# Allegro board TubiiPCB_V6.brd (continued)
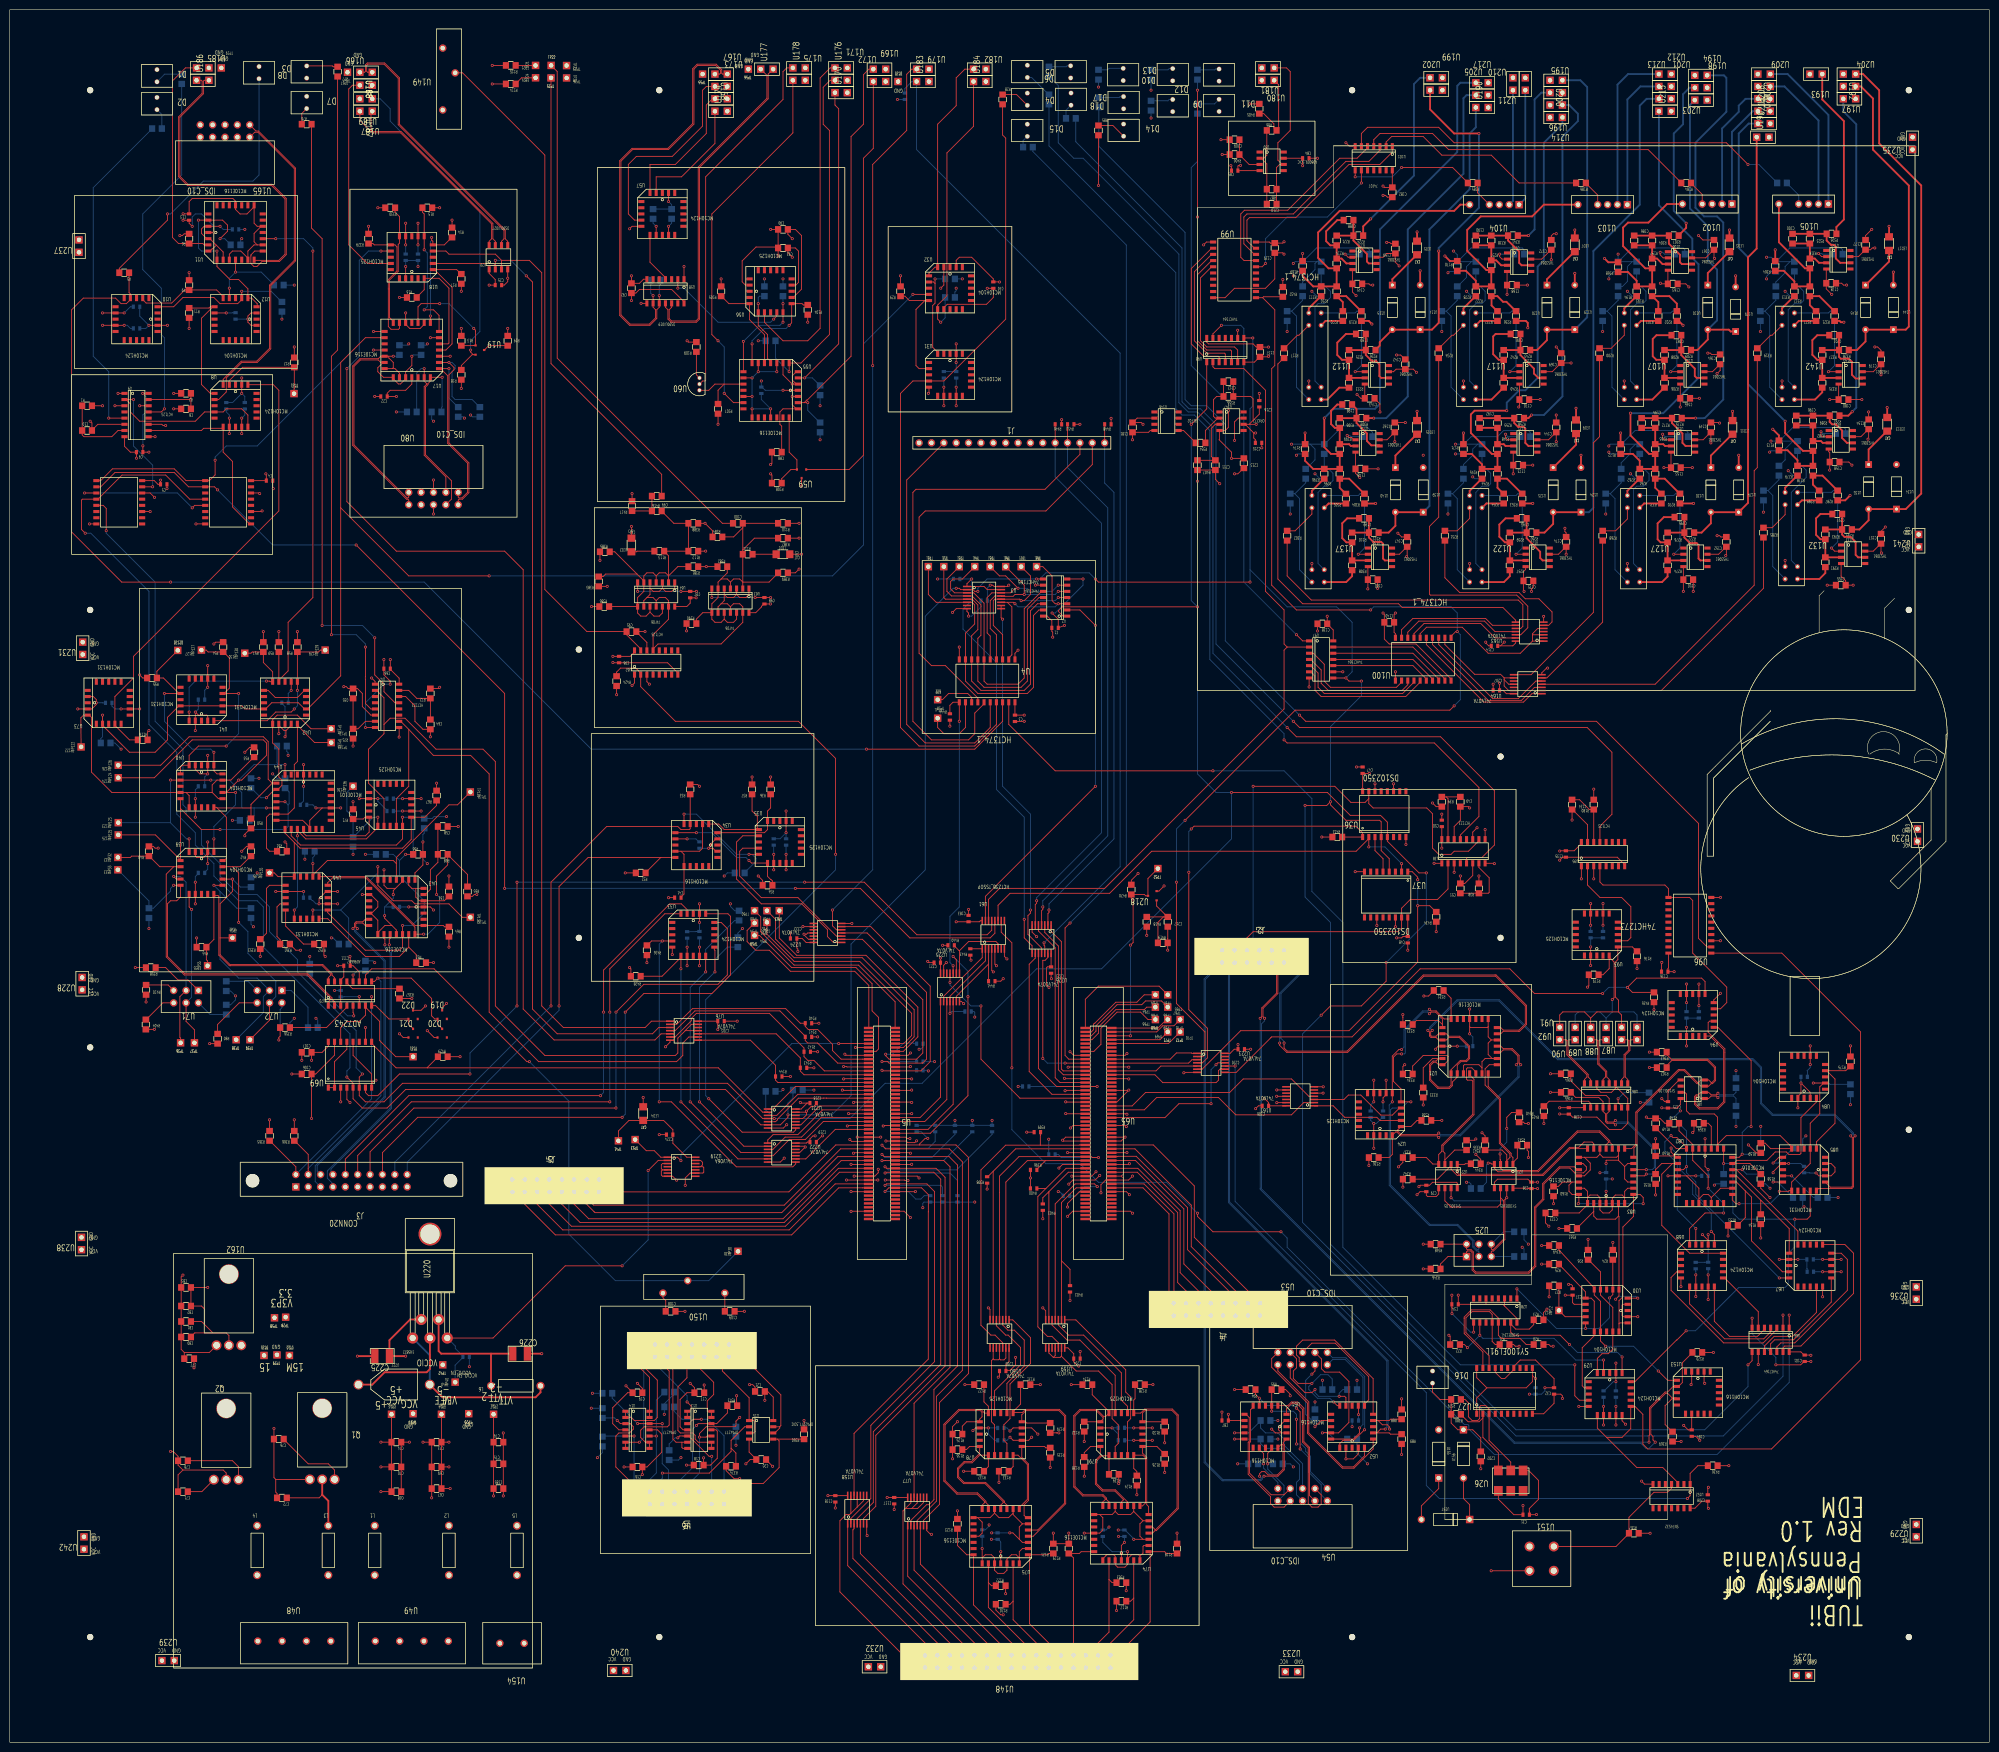
[diagram p0: board, top side]
## Footprints (pads in the part's own frame, mm; a bottom-side part is the same pattern mirrored in y, then rotated) (continued)
TSSOP16
  rect 1.651x0.33 smd: 1(-2.87,2.276) 2(-2.87,1.626) 3(-2.87,0.975) 4(-2.87,0.325) 5(-2.87,-0.325) 6(-2.87,-0.975) 7(-2.87,-1.626) 8(-2.87,-2.276) 9(2.87,-2.276) 10(2.87,-1.626) 11(2.87,-0.975) 12(2.87,-0.325) 13(2.87,0.325) 14(2.87,0.975) 15(2.87,1.626) 16(2.87,2.276)
unnamed#2
  round 1.27 hole 6.35 unplated: (0,0)
unnamed#3
  round 1.27 hole 3.962 unplated: (0,0)

## Nets
GND: C1.1(A<0>) C2.1(A<0>) C3.2(B<0>) C4.2(B<0>) C5.1(A<0>) C6.1(A<0>) C7.2(B<0>) C8.1(A<0>) C9.2(B<0>) C10.1(A<0>) C11.1(A<0>) C12.2(B<0>) C13.2(B<0>) C14.1(A<0>) C15.1(A<0>) C16.1(A<0>) C17.2(B<0>) C18.2(B<0>) C19.2(B<0>) C20.2(B<0>) C21.2(B<0>) C22.2(B<0>) C23.2(B<0>) C24.1(A<0>) C25.2(B<0>) C26.2(B<0>) C27.2(B<0>) C28.1(A<0>) C29.1(A<0>) C30.1(A<0>) C31.2(B<0>) C32.2(B<0>) C33.1(A<0>) C34.1(A<0>) C35.2(B<0>) C36.1(A<0>) C37.1(A<0>) C38.2(B<0>) C39.1(A<0>) C40.1(A<0>) C41.1(A<0>) C42.2(B<0>) C43.2(B<0>) C44.1(A<0>) C45.2(B<0>) C46.1(A<0>) C47.1(A<0>) C48.1(A<0>) C49.1(A<0>) C50.2(B<0>) C51.1(A<0>) C52.1(A<0>) C53.1(A<0>) C54.1(A<0>) C55.1(A<0>) C56.1(A<0>) C57.2(B<0>) C58.2(B<0>) C59.1(A<0>) C60.2(B<0>) C61.1(A<0>) C62.1(A<0>) C63.2(B<0>) C64.1(A<0>) C65.1(A<0>) C66.2(B<0>) C67.1(A<0>) C68.2(B<0>) C69.1(A<0>) C70.2(B<0>) C71.1(A<0>) C72.1(A<0>) C73.1(A<0>) C74.2(B<0>) C75.1(A<0>) C76.1(A<0>) C77.1(A<0>) C78.1(A<0>) C79.1(A<0>) C80.1(A<0>) C81.1(A<0>) C82.1(A<0>) C83.2(B<0>) C84.2(B<0>) C85.1(A<0>) C86.2(B<0>) C87.2(B<0>) C88.1(A<0>) C89.2(B<0>) C90.2(B<0>) C91.2(B<0>) C92.1(A<0>) C93.1(A<0>) C94.1(A<0>) C95.1(A<0>) C96.2(B<0>) C97.1(A<0>) C98.1(A<0>) C101.1(A<0>) C102.2(B<0>) C103.2(B<0>) C104.1(A<0>) C105.1(A<0>) C106.2(B<0>) C107.2(B<0>) C108.1(A<0>) C109.2(B<0>) C110.1(A<0>) C111.1(A<0>) C112.1(A<0>) C113.1(A<0>) C114.2(B<0>) C115.2(B<0>) C116.2(B<0>) C117.1(A<0>) C118.1(A<0>) C119.2(B<0>) C120.2(B<0>) C121.1(A<0>) C122.1(A<0>) C123.1(A<0>) C124.2(B<0>) C125.2(B<0>) C126.2(B<0>) C127.2(B<0>) C128.2(B<0>) C129.1(A<0>) C130.2(B<0>) C131.1(A<0>) C132.2(B<0>) C133.1(A<0>) C134.1(A<0>) C135.1(A<0>) C136.2(B<0>) C137.1(A<0>) C138.1(A<0>) C139.2(B<0>) C140.2(B<0>) C141.1(A<0>) C142.1(A<0>) C143.2(B<0>) C144.1(A<0>) C145.2(B<0>) C146.1(A<0>) C147.1(A<0>) C148.2(B<0>) C149.1(A<0>) C150.2(B<0>) C151.1(A<0>) C152.1(A<0>) C153.2(B<0>) C154.1(A<0>) C155.2(B<0>) C156.1(A<0>) C157.1(A<0>) C158.2(B<0>) C159.1(A<0>) C160.2(B<0>) C161.1(A<0>) C162.1(A<0>) C163.2(B<0>) C164.1(A<0>) C165.2(B<0>) C166.1(A<0>) C167.1(A<0>) C168.2(B<0>) C169.1(A<0>) C170.2(B<0>) C171.1(A<0>) C172.1(A<0>) C173.2(B<0>) C174.1(A<0>) C175.2(B<0>) C176.1(A<0>) C177.1(A<0>) C178.2(B<0>) C179.1(A<0>) C180.2(B<0>) C181.2(B<0>) C182.1(A<0>) C183.2(B<0>) C184.2(B<0>) C185.1(A<0>) C202.1(A<0>) C203.1(A<0>) C204.1(A<0>) C205.1(A<0>) C206.2(B<0>) C207.1(A<0>) C208.2(B<0>) C209.1(A<0>) C211.1(A<0>) C213.1(A<0>) C214.1(A<0>) C215.1(A<0>) C216.1(A<0>) C217.1(A<0>) C218.2(B<0>) C219.2(B<0>) C220.1(A<0>) C221.1(A<0>) C222.1(A<0>) C223.2(B<0>) C224.2(B<0>) C225.2 C226.2 D1.1(B) D2.1(B) D3.1(B) D4.1(B) D5.1(B) D6.1(B) D7.1(B) D8.1(B) D9.2(A) D10.1(B) D11.2(A) D12.1(B) D13.2(A) D14.1(B) D15.1(B) D16.1(B) D17.1(B) D18.1(B) J1.1 J2.5 J2.7 J3.1 J3.3 J3.9 J3.11 J3.13 J3.15 J3.17 J3.19 J4.2 J4.4 J4.6 J4.8 J4.10 J4.12 J4.14 J4.16 J5.2 J5.4 J5.6 J5.8 J5.10 J5.12 J5.14 J5.16 LED1.1(B) LED2.1(B) Q1.1(GROUND) Q2.2(GROUND) R18.2(B<0>) R47.1(A<0>) R80.1(A<0>) R81.1(A<0>) R167.1(A<0>) R168.1(A<0>) R169.1(A<0>) R170.1(A<0>) R171.1(A<0>) R172.1(A<0>) R173.1(A<0>) R174.1(A<0>) R198.1(A<0>) R199.1(A<0>) R202.2(B<0>) R215.1(A<0>) R216.1(A<0>) R219.2(B<0>) R232.1(A<0>) R233.1(A<0>) R236.2(B<0>) R249.1(A<0>) R250.1(A<0>) R253.2(B<0>) R266.1(A<0>) R267.1(A<0>) R270.2(B<0>) R283.1(A<0>) R284.1(A<0>) R287.2(B<0>) R300.1(A<0>) R301.1(A<0>) R304.2(B<0>) R317.1(A<0>) R318.1(A<0>) R321.2(B<0>) R350.1(A<0>) R351.2(B<0>) R352.2(B<0>) R353.2(B<0>) R356.1(A<0>) R357.1(A<0>) R358.1(A<0>) R359.1(A<0>) R360.1(A<0>) R361.1(A<0>) R362.2(B<0>) R364.1(A<0>) R365.1(A<0>) R366.1(A<0>) R371.1(A<0>) R372.1(A<0>) R373.1(A<0>) R374.1(A<0>) R375.1(A<0>) R376.1(A<0>) R377.1(A<0>) R378.1(A<0>) R404.1(A<0>) R405.1(A<0>) R406.1(A<0>) R407.1(A<0>) R417.1(A<0>) R419.1(A<0>) TP18.1(A) TP19.1(A) TP20.1(A) TP23.1(A) TP26.1(A) TP27.1(A) TP28.1(A) TP29.1(A) TP55.1(A) TP56.1(A) TP57.1(A) U1.8(GND) U1.11(MS) U2.7(GND) U3.8(GND) U4.10(GND) U5.15 U5.16 U5.21 U5.22 U5.27 U5.28 U5.33 U5.34 U5.39 U5.40 U5.45 U5.46 U5.51 U5.52 U5.65 U5.66 U5.71 U5.72 U5.77 U5.85 U5.86 U5.95 U5.96 U6.5 U6.6 U6.11 U6.12 U7.8(GND) U7.11(MS) U8.20(GND) U9.1(IN_A1*) U9.6(CEXT2) U9.8(GND) U9.9(IN_A2*) U9.14(CEXT1) U10.20(GND) U11.7(GND0) U11.10(GND1) U11.13(GND2) U11.16(GND3) U11.19(GND4) U11.22(GND5) U12.2(GND1) U12.20(GND2) U16.5 U16.6 U16.11 U16.12 U17.7(GND0) U17.10(GND1) U17.13(GND2) U17.16(GND3) U17.19(GND4) U17.22(GND5) U18.20(GND) U20.4(GND) U21.7(GND0) U21.10(GND1) U21.13(GND2) U21.16(GND3) U21.19(GND4) U21.22(GND5) U22.8(GND) U23.8(GND) U24.20(GND) U26.3(GND) U27.14(GND0) U27.17(GND1) U28.3(GND0) U28.6(GND1) U28.16(GND2) U29.13(C_IN) U29.20(GND) U30.2(GND1) U30.20(GND2) U31.20(GND) U32.2(GND1) U32.20(GND2) U33.20(GND) U34.2(GND1) U34.20(GND2) U35.20(GND) U36.8(GND) U36.11(MS) U37.8(GND) U37.11(MS) U38.1(IN_A1*) U38.6(CEXT2) U38.8(GND) U38.9(IN_A2*) U38.14(CEXT1) U39.2(GND1) U39.20(GND2) U40.2(GND1) U40.20(GND2) U41.2(GND1) U41.20(GND2) U42.2(GND1) U42.20(GND2) U43.7(GND0) U43.10(GND1) U43.13(GND2) U43.16(GND3) U43.19(GND4) U43.22(GND5) U44.11(GND0) U44.16(GND1) U44.21(GND2) U45.20(GND) U46.2(GND1) U46.20(GND2) U47.1(IN_A1*) U47.6(CEXT2) U47.8(GND) U47.9(IN_A2*) U47.14(CEXT1) U48.2 U48.3 U49.2 U49.3 U51.2(GND1) U51.20(GND2) U52.2(GND1) U52.20(GND2) U55.7(GND0) U55.10(GND1) U55.13(GND2) U55.16(GND3) U55.19(GND4) U55.22(GND5) U56.20(GND) U57.20(GND) U58.7(GND) U58.8(RE) U59.3(C) U61.8 U62.1(IN_A1*) U62.8(GND) U62.14(CEXT1) U63.7(GND) U64.7(GND) U65.15 U65.16 U65.21 U65.22 U65.27 U65.28 U65.33 U65.34 U65.39 U65.40 U65.45 U65.46 U65.51 U65.52 U65.65 U65.66 U65.71 U65.72 U65.77 U65.85 U65.86 U65.95 U65.96 U66.7(GND) U67.20(GND) U68.20(GND) U69.4(BNCP) U69.8(DGND) U69.10(DCEN) U69.12(AGND) U70.3(GND1) U70.14(GND2) U73.2(GND1) U73.20(GND2) U74.7(GND0) U74.10(GND1) U74.13(GND2) U74.16(GND3) U74.19(GND4) U74.22(GND5) U75.7(GND0) U75.10(GND1) U75.13(GND2) U75.16(GND3) U75.19(GND4) U75.22(GND5) U76.7(GND) U77.7(GND) U78.20(GND) U79.20(GND) U80.5(PIN5) U80.6(PIN6) U81.8(GND) U82.8(GND0) U82.14(GND1) U82.16(GND2) U82.20(GND3) U83.7(GND0) U83.10(GND1) U83.13(GND2) U83.16(GND3) U83.19(GND4) U83.22(GND5) U84.2(GND1) U84.20(GND2) U85.2(GND1) U85.20(GND2) U86.3(GND0) U86.6(GND1) U86.16(GND2) U93.20(GND) U94.20(GND) U95.1(IN_A1*) U95.3(RD1*) U95.8(GND) U95.15(REXT/CEXT1) U96.10(GND) U97.7(GND) U98.7(GND) U99.1(OE*) U99.10(GND) U100.1(OE*) U100.10(GND) U101.7 U109.2(OUT) U114.2(OUT) U119.2(OUT) U124.2(OUT) U129.2(OUT) U134.2(OUT) U139.2(OUT) U144.2(OUT) U146.4(GND) U148.2 U148.4 U148.6 U148.8 U148.10 U148.12 U148.14 U148.16 U148.18 U148.20 U148.22 U148.24 U148.26 U148.28 U148.30 U148.32 U149.1(CCW) U152.7(GND) U153.2(GND1) U153.20(GND2) U154.2 U158.7(GND) U159.7(GND) U160.7(GND) U161.5(A3) U161.7(GND) U161.9(A4) U161.11(A5) U161.13(A6) U162.1(GND) U163.7(GND) U164.7(GND) U165.5(PIN5) U165.6(PIN6) U166.2 U167.2 U169.2 U170.2 U171.2 U172.2 U173.2 U174.2 U175.2 U176.2 U178.2 U179.2 U180.2 U181.2 U182.2 U183.2 U184.2 U185.2 U189.2 U190.2 U191.2 U192.2 U193.2 U194.2 U195.2 U196.2 U197.2 U198.2 U199.2 U200.2 U201.2 U202.2 U203.2 U204.2 U205.2 U206.2 U207.2 U208.2 U209.2 U210.2 U211.2 U212.2 U213.2 U214.2 U215.2 U216.2 U217.2 U218.2 U219.3(A2) U219.5(A3) U219.7(GND) U219.9(A4) U219.11(A5) U219.13(A6) U220.3(GND) U221.7(GND) U221.11(A5) U221.13(A6) U222.7(GND) U222.11(A5) U222.13(A6) U223.7(GND) U224.7(GND) U224.9(A4) U224.11(A5) U224.13(A6) U225.7(GND) U225.13(A6) U226.7(GND) U227.2(AN) U228.2 U229.2 U230.2 U231.2 U232.2 U233.2 U234.2 U235.2 U236.2 U237.2 U238.2 U239.2 U240.2 U241.2 U242.2
V3P3: C31.1(A<0>) C33.2(B<0>) C80.2(B<0>) C81.2(B<0>) C82.2(B<0>) C83.1(A<0>) C117.2(B<0>) C118.2(B<0>) C203.2(B<0>) C204.2(B<0>) C205.2(B<0>) C206.1(A<0>) C218.1(A<0>) C219.1(A<0>) C220.2(B<0>) C221.2(B<0>) C222.2(B<0>) C223.1(A<0>) LED4.2(A) R85.1(A<0>) R140.2(B<0>) R141.2(B<0>) R142.2(B<0>) R143.2(B<0>) R144.2(B<0>) R145.1(A<0>) R146.1(A<0>) R147.1(A<0>) R391.1(A<0>) R392.1(A<0>) R393.1(A<0>) R394.1(A<0>) R395.1(A<0>) R396.1(A<0>) R397.1(A<0>) R398.1(A<0>) R399.1(A<0>) R400.2(B<0>) R401.2(B<0>) R402.2(B<0>) R403.2(B<0>) R420.1(A<0>) R437.1(A<0>) R438.1(A<0>) R439.1(A<0>) R445.1(A<0>) TP58.1(A) U26.6(VDD) U27.1(VCC0) U27.11(VCC1) U27.20(VCC2) U76.14(VCC) U77.14(VCC) U155.2(AND) U158.14(VCC) U159.14(VCC) U160.14(VCC) U161.14(VCC) U162.2(VOUT) U221.14(VCC) U222.14(VCC) U223.14(VCC) U224.14(VCC) U225.14(VCC) U226.14(VCC)
VBAT: TP71.1(A) U65.7
VCC: C1.2(B<0>) C2.2(B<0>) C3.1(A<0>) C4.1(A<0>) C5.2(B<0>) C6.2(B<0>) C9.1(A<0>) C12.1(A<0>) C17.1(A<0>) C19.1(A<0>) C21.1(A<0>) C24.2(B<0>) C25.1(A<0>) C30.2(B<0>) C35.1(A<0>) C38.1(A<0>) C40.2(B<0>) C42.1(A<0>) C46.2(B<0>) C47.2(B<0>) C48.2(B<0>) C50.1(A<0>) C62.2(B<0>) C66.1(A<0>) C68.1(A<0>) C70.1(A<0>) C74.1(A<0>) C77.2(B<0>) C84.1(A<0>) C91.1(A<0>) C92.2(B<0>) C93.2(B<0>) C96.1(A<0>) C97.2(B<0>) C98.2(B<0>) C101.2(B<0>) C102.1(A<0>) C103.1(A<0>) C108.2(B<0>) C111.2(B<0>) C121.2(B<0>) C122.2(B<0>) C131.2(B<0>) C133.2(B<0>) C135.2(B<0>) C136.1(A<0>) C137.2(B<0>) C138.2(B<0>) C139.1(A<0>) C140.1(A<0>) C182.2(B<0>) C183.1(A<0>) C207.2(B<0>) C208.1(A<0>) C214.2(B<0>) C225.1 D19.3(CAT) D22.3(CAT) J1.2 L1.2(B<0>) R1.1(A<0>) R2.1(A<0>) R38.1(A<0>) R39.1(A<0>) R72.1(A<0>) R75.2(B<0>) R79.1(A<0>) R110.2(B<0>) R112.2(B<0>) R114.1(A<0>) R115.1(A<0>) R180.1(A<0>) R381.2(B<0>) R382.2(B<0>) R383.2(B<0>) R384.2(B<0>) R385.2(B<0>) R386.2(B<0>) R387.2(B<0>) R388.2(B<0>) R389.2(B<0>) R390.2(B<0>) R418.1(A<0>) R421.1(A<0>) R424.1(A<0>) R425.1(A<0>) R426.1(A<0>) R427.1(A<0>) R428.1(A<0>) R429.1(A<0>) R430.1(A<0>) R431.1(A<0>) R432.2(B<0>) R433.2(B<0>) R434.2(B<0>) R435.2(B<0>) R436.2(B<0>) R440.1(A<0>) R441.1(A<0>) R442.1(A<0>) R443.1(A<0>) R444.1(A<0>) R446.1(A<0>) R447.1(A<0>) R448.1(A<0>) R449.1(A<0>) R450.1(A<0>) TP13.1(A) U1.14(PS) U1.16(VCC) U2.9(MR*) U2.14(VCC) U3.16(VCC) U4.1(OE*) U4.20(VCC) U5.12 U5.57 U5.58 U5.59 U5.60 U7.14(PS) U7.16(VCC) U8.12(VCC) U9.3(RD1*) U9.11(RD2*) U9.16(VCC) U10.12(VCC) U13.4(V+) U14.4(V+) U15.8(V+) U18.12(VCC) U20.1(VCC) U24.12(VCC) U29.8(COMMON) U29.12(VCC) U31.8(COMMON) U31.12(VCC) U32.10(VEE) U33.8(COMMON) U33.12(VCC) U35.12(VCC) U36.14(PS) U36.16(VCC) U37.14(PS) U37.16(VCC) U38.3(RD1*) U38.11(RD2*) U38.16(VCC) U45.12(VCC) U47.16(VCC) U50.7(V+) U56.12(VCC) U57.8(COMMON) U57.12(VCC) U58.1(DE) U58.14(VCC) U61.4(E1) U61.5(E2) U61.16 U62.3(RD1*) U62.16(VCC) U63.14(VCC) U64.14(VCC) U65.57 U65.58 U65.59 U65.60 U66.9(MR*) U66.14(VCC) U67.8(COMMON) U67.12(VCC) U68.8(COMMON) U68.12(VCC) U69.3(CLR*) U70.11(VS+) U78.12(VCC) U79.12(VCC) U93.12(VCC) U94.8(COMMON) U94.12(VCC) U95.16(VCC) U96.3(D0) U96.20(VCC) U97.9(MR*) U97.14(VCC) U98.9(MR*) U98.14(VCC) U99.20(VCC) U100.20(VCC) U101.14 U102.3(CNTRL-) U103.3(CNTRL-) U104.3(CNTRL-) U105.3(CNTRL-) U107.3(CTRL_OUT) U112.3(CTRL_OUT) U117.3(CTRL_OUT) U122.3(CTRL_OUT) U127.3(CTRL_OUT) U132.3(CTRL_OUT) U137.3(CTRL_OUT) U142.3(CTRL_OUT) U149.3(CW) U150.3(CW) U151.1(A1) U152.14(VCC) U162.3(VIN) U163.14(VCC) U164.14(VCC) U220.2(VIN) U228.1 U229.1 U230.1 U231.1 U232.1 U233.1 U234.1 U235.1 U236.1 U237.1 U238.1 U239.1 U240.1 U241.1 U242.1
VCC15: C78.2(B<0>) C107.1(A<0>) C142.2(B<0>) C144.2(B<0>) C147.2(B<0>) C149.2(B<0>) C152.2(B<0>) C154.2(B<0>) C157.2(B<0>) C159.2(B<0>) C162.2(B<0>) C164.2(B<0>) C167.2(B<0>) C169.2(B<0>) C172.2(B<0>) C174.2(B<0>) C177.2(B<0>) C179.2(B<0>) C181.1(A<0>) Q2.3(OUTPUT) R83.2(B<0>) TP16.1(A) U69.16(VDD) U106.7(VS+) U108.7(VS+) U111.7(VS+) U113.7(VS+) U116.7(VS+) U118.7(VS+) U121.7(VS+) U123.7(VS+) U126.7(VS+) U128.7(VS+) U131.7(VS+) U133.7(VS+) U136.7(VS+) U138.7(VS+) U141.7(VS+) U143.7(VS+) U146.2(VIN) U147.7(V+)
VCC15M: C76.2(B<0>) C106.1(A<0>) C143.1(A<0>) C145.1(A<0>) C148.1(A<0>) C150.1(A<0>) C153.1(A<0>) C155.1(A<0>) C158.1(A<0>) C160.1(A<0>) C163.1(A<0>) C165.1(A<0>) C168.1(A<0>) C170.1(A<0>) C173.1(A<0>) C175.1(A<0>) C178.1(A<0>) C180.1(A<0>) C213.2(B<0>) Q1.3(OUTPUT) R82.2(B<0>) TP15.1(A) U69.15(VSS) U106.4(VS-) U108.4(VS-) U111.4(VS-) U113.4(VS-) U116.4(VS-) U118.4(VS-) U121.4(VS-) U123.4(VS-) U126.4(VS-) U128.4(VS-) U131.4(VS-) U133.4(VS-) U136.4(VS-) U138.4(VS-) U141.4(VS-) U143.4(VS-) U147.4(V-)
VCC24: C71.2(B<0>) L4.2(B<0>) Q2.1(INPUT)
VCC24_RAW: L4.1(A<0>) U48.1
VCC24M: C72.2(B<0>) L3.2(B<0>) Q1.2(INPUT)
VCC24M_RAW: L3.1(A<0>) U48.4
VCC_RAW: L1.1(A<0>) U49.1
VCCIO: C226.1 L6.2(B<0>) TP42.1(A) U5.78 U5.79 U5.80 U65.78 U65.79 U65.80 U220.4(FB)
VCCIO_EN_0: TP53.1(A) U5.10 U219.1(A1)
VEE: C7.1(A<0>) C13.1(A<0>) C14.2(B<0>) C15.2(B<0>) C16.2(B<0>) C18.1(A<0>) C20.1(A<0>) C22.1(A<0>) C23.1(A<0>) C26.1(A<0>) C27.1(A<0>) C28.2(B<0>) C29.2(B<0>) C32.1(A<0>) C34.2(B<0>) C36.2(B<0>) C37.2(B<0>) C39.2(B<0>) C43.1(A<0>) C44.2(B<0>) C45.1(A<0>) C52.2(B<0>) C53.2(B<0>) C54.2(B<0>) C55.2(B<0>) C56.2(B<0>) C57.1(A<0>) C60.1(A<0>) C63.1(A<0>) C67.2(B<0>) C69.2(B<0>) C73.2(B<0>) C85.2(B<0>) C86.1(A<0>) C87.1(A<0>) C89.1(A<0>) C90.1(A<0>) C94.2(B<0>) C104.2(B<0>) C105.2(B<0>) C109.1(A<0>) C110.2(B<0>) C112.2(B<0>) C114.1(A<0>) C116.1(A<0>) C119.1(A<0>) C120.1(A<0>) C124.1(A<0>) C125.1(A<0>) C126.1(A<0>) C127.1(A<0>) C128.1(A<0>) C129.2(B<0>) C130.1(A<0>) C132.1(A<0>) C184.1(A<0>) D20.1(AN) D21.1(AN) L2.2(B<0>) LED3.2(A) LED5.2(A) LED7.2(A) LED9.2(A) LED11.2(A) LED13.2(A) LED15.2(A) LED17.2(A) R19.2(B<0>) R78.2(B<0>) R108.1(A<0>) R109.1(A<0>) R408.1(A<0>) R409.1(A<0>) R410.1(A<0>) R411.1(A<0>) R412.1(A<0>) R413.1(A<0>) R414.2(B<0>) R415.2(B<0>) TP14.1(A) U8.10(VEE) U10.10(VEE) U11.1(VEE) U12.10(VEE) U13.11(V-) U14.11(V-) U15.4(V-) U17.1(VEE) U18.10(VEE) U21.1(VEE) U22.5(VEE) U23.5(VEE) U24.10(VEE) U27.10(VEE) U28.9(VEE) U29.10(VEE) U30.10(VEE) U31.10(VEE) U33.10(VEE) U34.10(VEE) U35.10(VEE) U39.10(VEE) U40.10(VEE) U41.10(VEE) U42.10(VEE) U43.1(VEE) U44.1(VEE) U45.10(VEE) U46.10(VEE) U50.4(V-) U51.10(VEE) U52.10(VEE) U55.1(VEE) U56.10(VEE) U57.10(VEE) U67.10(VEE) U68.10(VEE) U70.6(VS-) U73.10(VEE) U74.1(VEE) U75.1(VEE) U78.10(VEE) U79.10(VEE) U81.5(VEE) U82.1(VEE) U83.1(VEE) U84.10(VEE) U85.10(VEE) U86.9(VEE) U93.10(VEE) U94.10(VEE) U150.1(CCW) U153.10(VEE)
VEE_RAW: L2.1(A<0>) U49.4
BACKPLANE_IN<1>: R81.2(B<0>) U6.1 U13.3(+IN_A)
BACKPLANE_IN<2>: R371.2(B<0>) U6.3 U13.5(+IN_B)
BACKPLANE_IN<3>: R372.2(B<0>) U6.7 U13.10(+IN_C)
BACKPLANE_IN<4>: R373.2(B<0>) U6.9 U13.12(+IN_D)
BACKPLANE_IN<5>: R378.2(B<0>) U6.2 U14.3(+IN_A)
BACKPLANE_IN<6>: R377.2(B<0>) U6.4 U14.5(+IN_B)
BACKPLANE_IN<7>: R376.2(B<0>) U6.8 U14.10(+IN_C)
BACKPLANE_IN<8>: R375.2(B<0>) U6.10 U14.12(+IN_D)
BACKPLANE_IN<9>: R374.2(B<0>) U6.14 U15.2(+IN_A)
BACKPLANE_IN<10>: R350.2(B<0>) U6.13 U15.5(+IN_B)
BACKPLANE_OUT<1>: U13.1(OUT_A) U13.2(-IN_A) U16.1
BACKPLANE_OUT<2>: U13.6(-IN_B) U13.7(OUT_B) U16.3
BACKPLANE_OUT<3>: U13.8(OUT_C) U13.9(-IN_C) U16.7
BACKPLANE_OUT<4>: U13.13(-IN_D) U13.14(OUT_D) U16.9
BACKPLANE_OUT<5>: U14.1(OUT_A) U14.2(-IN_A) U16.2
BACKPLANE_OUT<6>: U14.6(-IN_B) U14.7(OUT_B) U16.4
BACKPLANE_OUT<7>: U14.8(OUT_C) U14.9(-IN_C) U16.8
BACKPLANE_OUT<8>: U14.13(-IN_D) U14.14(OUT_D) U16.10
BACKPLANE_OUT<9>: U15.1(OUT_A) U15.3(-IN_A) U16.14
BACKPLANE_OUT<10>: U15.6(-IN_B) U15.7(OUT_B) U16.13
BCKP_CLK*: R27.2(B<0>) TP12.1(A) U30.12(Q4*)
BCKP_CLK_BUFD_N: R162.2(B<0>) U81.4(D_B*) U83.12(Q1*)
BCKP_CLK_BUFD_P: R163.2(B<0>) U81.3(D_B) U83.11(Q1)
BCKP_CLK_IN_USE_MZ: U65.41 U161.4(Y2)
CAEN_DATA_RDY_MZ: U65.17 U223.1(A1)
CARRIER_SRST#: TP65.1(A) U65.6
CHANGE_CLK2_N: R336.2(B<0>) U21.15(Q2*) U24.3(D1*)
CHANGE_CLK2_P: R338.2(B<0>) U21.14(Q2) U24.4(D1)
CHOSEN_CLK2_N: R332.2(B<0>) U21.26(D3*) U24.8(D2*) U25.5(P2)
CHOSEN_CLK2_P: R331.2(B<0>) U21.25(D3) U24.9(D2) U25.2(P1)
CHOSEN_CLK_N: R347.2(B<0>) U22.6(Q*) U23.6(Q*) U25.6(T_B2)
CHOSEN_CLK_P: R345.2(B<0>) U22.7(Q) U23.7(Q) U25.3(T_B1)
CLK100_IN_MZ: U65.43 U161.2(Y1)
CLK_BAD_N: R178.1(A<0>) U81.2(D_A*) U94.5(A_OUT*)
CLK_BAD_P: R177.1(A<0>) U81.1(D_A) U94.3(A_OUT)
CLK_MISSED: R182.1(A<0>) U96.2(Q0)
CLK_MZ: U5.38 U221.5(A3)
CLK_SEL_ECL_N: R25.2(B<0>) U29.5(A_OUT*) U30.9(B2) U30.14(B3)
CLK_SEL_ECL_P: R26.2(B<0>) U29.3(A_OUT) U30.7(B1) U30.17(B4)
CLK_STATE: R175.2(B<0>) U84.7(B1) U85.4(Q1*)
CLOCKS_DATA_RDY_MZ: U65.25 U223.9(A4)
CNTRL_RAW<0>: TP8.1(A) U2.3(Q0) U3.11(D0) U4.2(D0)
CNTRL_RAW<1>: TP7.1(A) U2.4(Q1) U3.12(D1) U4.3(D1)
CNTRL_RAW<2>: TP6.1(A) U2.5(Q2) U3.13(D2) U4.4(D2)
CNTRL_RAW<3>: TP5.1(A) U2.6(Q3) U3.14(D3) U4.5(D3)
CNTRL_RAW<4>: TP4.1(A) U2.10(Q4) U3.3(D4) U4.6(D4)
CNTRL_RAW<5>: TP3.1(A) U2.11(Q5) U3.4(D5) U4.7(D5)
CNTRL_RAW<6>: TP2.1(A) U2.12(Q6) U3.5(D6) U4.8(D6)
CNTRL_RAW<7>: TP1.1(A) U2.13(Q7) U3.6(D7) U4.9(D7)
CNTRL_RDY_MZ: U65.38 U225.11(A5)
CNTRL_REG_CHK_MZ: R445.2(B<0>) U65.32 U226.10(Y5)
COMP1_THRESH: TP31.1(A) U69.14(VOUT) U70.7(IN_N1)
COMP2_THRESH: TP30.1(A) U70.10(IN_N2) U150.2(OUT)
COUNT: R159.1(A<0>) U81.7(Q) U82.27(CLK) U85.8(CE1*)
COUNT_DATA_ECL<0>: R148.1(A<0>) U68.3(A_OUT) U82.3(P0)
COUNT_DATA_ECL<1>: R149.1(A<0>) U68.2(B_OUT) U82.4(P1)
COUNT_DATA_ECL<2>: R150.1(A<0>) U68.19(C_OUT) U82.5(P2)
COUNT_DATA_ECL<3>: R151.1(A<0>) U68.18(D_OUT) U82.6(P3)
COUNT_DATA_ECL<4>: R152.1(A<0>) U67.3(A_OUT) U82.7(P4)
COUNT_DATA_ECL<5>: R153.1(A<0>) U67.2(B_OUT) U82.21(P5)
COUNT_DATA_ECL<6>: R154.1(A<0>) U67.19(C_OUT) U82.22(P6)
COUNT_DATA_ECL<7>: R155.1(A<0>) U67.18(D_OUT) U82.23(P7)
DATA_MZ: U5.36 U221.3(A2)
DDGT_BITS: U1.3(Q/P0) U7.5(D/P2)
DDGT_TTL: U7.9(PWM) U8.9(B_IN) U9.10(IN_B2)
DEF_CLK_DIV2_N: U86.2(Q0*) U88.1
DEF_CLK_DIV2_P: U86.1(Q0) U87.1
DEF_CLK_DIV4_N: U86.5(Q1*) U90.1
DEF_CLK_DIV4_P: U86.4(Q1) U89.1
DEF_CLK_DIV8_N: U86.8(Q2*) U92.1
DEF_CLK_DIV8_P: U86.7(Q2) U91.1
DEF_CLK_DIVD_N: R176.2(B<0>) U88.2 U90.2 U92.2 U93.4(D1)
DEF_CLK_DIVD_P: R179.2(B<0>) U87.2 U89.2 U91.2 U93.3(D1*)
DGT_GATE: R53.2(B<0>) TP122.1(A) U40.7(B1) U40.9(B2) U40.14(B3) U40.17(B4) U73.3(Q1)
DGT_TTL: U1.15(OUT) U8.7(A_IN) U8.13(C_IN) U9.2(IN_B1)
DIVD_CLK_TTL: U93.5(Q1) U95.2(IN_B1)
ECAL_ACTIVE_ECL_N: R29.2(B<0>) U31.5(A_OUT*) U32.8(A2)
ECAL_ACTIVE_ECL_P: R30.2(B<0>) U31.3(A_OUT) U32.5(A1)
EN_CLK_DIV_ECL: R23.2(B<0>) U28.15(EN*) U29.19(C_OUT)
FOX_100MHZ_P: R24.2(B<0>) U28.1(Q0) U30.5(A1) U30.13(A3)
FOX_CLK_LVPECL_N: R379.2(B<0>) U26.5(OUT*) U27.3(D0*)
FOX_CLK_LVPECL_P: R380.2(B<0>) U26.4(OUT) U27.2(D0)
FPGA_DONE: TP66.1(A) U65.8
FUZZD_CLK_N: U94.7(A_IN) U95.4(Q1*) U96.11(CP)
FUZZD_CLK_P: R181.1(A<0>) U95.13(Q1)
GENERIC_DELAY_IN_MZ: R437.2(B<0>) U5.23 U224.6(Y3)
GENERIC_DELAY_OUT_MZ: U65.23 U223.5(A3)
GENERIC_PULSE_MZ: U65.19 U223.3(A2)
GPIO0: U5.3
GPIO1: U5.4
GPIO2: U5.5
GPIO3: U5.6
GPIO4: U5.7
GPIO5: U5.8
GT2_N: U17.21(Q4*)
GT_2: R13.1(A<0>) U17.14(Q2) U19.1(B)
GT_MZ: R142.1(A<0>) U5.24 U76.6(Y3)
I2C_SCL: TP60.1(A) U5.1
I2C_SDA: TP54.1(A) U5.2
INIT#: TP61.1(A) U5.9
JTAG_TCK: TP69.1(A) U65.1
JTAG_TDI: TP64.1(A) U65.4
JTAG_TDO: TP70.1(A) U65.3
JTAG_TMS: TP67.1(A) U65.2
JX1_SE_0: TP72.1(A) U65.9
JX1_SE_1: U65.10
JX2_SE_0: TP63.1(A) U5.13
JX2_SE_1: TP59.1(A) U5.14
LE0_MZ: U5.47 U225.1(A1)
LE1_MZ: U5.49 U225.3(A2)
LE2_MZ: U5.53 U225.5(A3)
LE_CAEN: U61.14(Y1) U97.2(DSB) U98.2(DSB)
LE_CLKS: U61.10(Y5) U66.1(DSA)
LE_CNTRL_REG: U2.2(DSB) U61.15(Y0)
LE_GEN_UTILS: U36.2(LE*) U37.2(LE*) U61.11(Y4)
LE_GT_DELAYS: U1.2(LE*) U7.2(LE*) U61.12(Y3)
LE_MTCA_MIMIC: U61.13(Y2) U69.7(SYNC*)
LO_SEL_ECL_N: R9.2(B<0>) U10.5(A_OUT*) U12.8(A2)
LO_SEL_ECL_P: R10.2(B<0>) U10.3(A_OUT) U12.5(A1)
LO_STAR_RAW: R7.2(B<0>) U11.5(D1) U11.27(D2) U12.3(Q1) U12.4(Q2)
LOAD_COUNT*: R156.1(A<0>) U82.25(PE*) U94.4(B_OUT*)
MTCA_MIMIC_DATA_RDY_MZ: U5.32 U221.1(A1)
MTCA_MIMIC_TRIG1_MZ: R144.1(A<0>) U5.30 U76.8(Y4)
MTCA_MIMIC_TRIG2_MZ: R143.1(A<0>) U5.26 U76.10(Y5)
MUX_ENABLE_MZ: U5.55 U225.9(A4)
MZ_HAPPY: R367.2(B<0>) U65.18
NEG_TRIG1: R51.2(B<0>) TP125.1(A) U39.4(Q2) U40.8(A2) U44.8(D0C)
NEG_TRIG2: R49.2(B<0>) TP124.1(A) U39.19(Q4) U40.15(A4) U44.4(D1C)
POS_TRIG1: R52.2(B<0>) TP123.1(A) U39.3(Q1) U40.5(A1) U44.9(D0B)
POS_TRIG2: R50.2(B<0>) TP126.1(A) U39.18(Q3) U40.13(A3) U44.5(D1B)
PREP_RETRIG1: R58.2(B<0>) TP129.1(A) U41.3(Q1) U42.9(D1)
PREP_RETRIG2: R57.2(B<0>) TP130.1(A) U41.19(Q2) U42.13(D2)
PWR_EN: R420.2(B<0>) TP52.1(A) U65.5 U218.3
PWR_GOOD: TP62.1(A) U5.11
READ_CNTRL_REG_BIT_MZ: U65.36 U226.9(A4)
RESET_CLK_DIV_ECL: R22.2(B<0>) U28.10(MR) U29.2(B_OUT)
RESET_CLK_MZ: U65.47 U223.11(A5)
RESTART_COUNT: R158.2(B<0>) U82.24(CE*) U84.3(Q1)
RETRIG_GATE1: R61.2(B<0>) TP133.1(A) U42.3(Q1) U44.10(D0A)
RETRIG_GATE2: R60.2(B<0>) TP134.1(A) U42.19(Q2) U44.6(D1A)
RIB1_N: U52.3(Q1*) U53.1(PIN1)
RIB1_P: U52.4(Q1) U53.2(PIN2)
RIB2_N: R95.2(B<0>) U51.5(D1*) U54.1(PIN1)
RIB2_P: R94.2(B<0>) U51.7(D1) U54.2(PIN2)
RIB3_N: U51.3(Q1*) U54.3(PIN3)
RIB3_P: U51.4(Q1) U54.4(PIN4)
RIB4_N: R91.2(B<0>) U52.12(D2*) U53.3(PIN3)
RIB4_P: R90.2(B<0>) U52.13(D2) U53.4(PIN4)
RIB5_N: U52.8(Q2*) U53.5(PIN5)
RIB5_P: U52.9(Q2) U53.6(PIN6)
RIB6_N: R97.2(B<0>) U51.12(D2*) U54.5(PIN5)
RIB6_P: R96.2(B<0>) U51.13(D2) U54.6(PIN6)
RIB7_N: U51.8(Q2*) U54.7(PIN7)
RIB7_P: U51.9(Q2) U54.8(PIN8)
RIB8_N: R93.2(B<0>) U52.15(D3*) U53.7(PIN7)
RIB8_P: R92.2(B<0>) U52.17(D3) U53.8(PIN8)
RIB9_N: U52.18(Q3*) U53.9(PIN9)
RIB9_P: U52.19(Q3) U53.10(PIN10)
RIB10_N: R99.2(B<0>) U51.15(D3*) U54.9(PIN9)
RIB10_P: R98.2(B<0>) U51.17(D3) U54.10(PIN10)
SCALER4_MZ: U65.24 U226.1(A1)
SCALER5_MZ: U65.26 U226.3(A2)
SCALER6_MZ: U65.30 U226.5(A3)
SET_RETRIG1: R54.2(B<0>) TP127.1(A) U40.3(Q1) U40.4(Q2) U41.7(S1)
SET_RETRIG2: R55.2(B<0>) TP128.1(A) U40.18(Q3) U40.19(Q4) U41.15(S2)
SMELLIE_DELAY_BUF_N: R36.2(B<0>) U34.3(Q1*) U35.3(D1*)
SMELLIE_DELAY_BUF_P: R37.2(B<0>) U34.4(Q1) U35.4(D1)
SMELLIE_DELAY_MZ: U5.54 U222.9(A4)
SMELLIE_PRE_DELAY_MZ: R439.2(B<0>) U5.17 U224.2(Y1)
SMELLIE_PULSE_MZ: U5.48 U222.3(A2)
SPKR: R424.2(B<0>) U62.2(IN_B1) U221.8(Y4)
SPKR_MZ: U5.42 U221.9(A4)
SR_CLK: R425.2(B<0>) U1.4(CLK/P1) U2.8(CP) U3.2(CP) U7.4(CLK/P1) U36.4(CLK/P1) U37.4(CLK/P1) U66.8(CP) U69.5(SCLK) U97.8(CP) U98.8(CP) U221.6(Y3)
SR_DATA: R427.2(B<0>) U1.5(D/P2) U2.1(DSA) U36.5(D/P2) U66.2(DSB) U69.6(SDIN) U98.1(DSA) U221.4(Y2)
SYNC24_2_N: R14.1(A<0>) U17.12(Q1*) U18.8(D2*)
SYNC24_2_P: R15.1(A<0>) U17.11(Q1) U18.9(D2)
SYNC24_MZ: R140.1(A<0>) U5.18 U76.2(Y1)
SYNC_2_N: R16.1(A<0>) U17.9(Q0*) U18.3(D1*)
SYNC_2_P: R17.1(A<0>) U17.8(Q0) U18.4(D1)
SYNC_MZ: R141.1(A<0>) U5.20 U76.4(Y2)
TC: R166.2(B<0>) U82.19(TC*) U84.5(A1) U85.5(R1) U85.14(CE2*)
TELLIE_DELAY_BUF_N: R35.2(B<0>) U34.8(Q2*) U35.8(D2*)
TELLIE_DELAY_BUF_P: R34.2(B<0>) U34.9(Q2) U35.9(D2)
TELLIE_DELAY_MZ: U5.50 U222.5(A3)
TELLIE_PRE_DELAY_MZ: R438.2(B<0>) U5.19 U224.4(Y2)
TELLIE_PULSE_MZ: U5.44 U222.1(A1)
TRIG_GATE1_N: R69.2(B<0>) U44.13(Q0*) U45.8(D2*)
TRIG_GATE1_P: R67.2(B<0>) TP135.1(A) U44.12(Q0) U45.9(D2) U46.8(CE1*)
TRIG_GATE2_N: R71.2(B<0>) U44.15(Q1*) U45.3(D1*)
TRIG_GATE2_P: R70.2(B<0>) TP136.1(A) U44.14(Q1) U45.4(D1) U46.14(CE2*)
TRIG_PULS1_N: R64.2(B<0>) U43.26(D3*) U46.4(Q1*)
TRIG_PULS1_P: R65.2(B<0>) R68.2(B<0>) U43.25(D3) U46.3(Q1)
TRIG_PULS2_N: R62.2(B<0>) U43.24(D4*) U46.18(Q2*)
TRIG_PULS2_P: R63.2(B<0>) R66.2(B<0>) U43.23(D4) U46.19(Q2)
TUBII_RT_OUT_MZ: U65.20 U226.13(A6)
UNNAMED_1_1N4448_I28_IN: LED17.1(B) U145.1(IN)
UNNAMED_1_1N4448_I28_IN_1: LED3.1(B) U110.1(IN)
UNNAMED_1_1N4448_I28_IN_2: LED5.1(B) U115.1(IN)
UNNAMED_1_1N4448_I28_IN_3: LED7.1(B) U120.1(IN)
UNNAMED_1_1N4448_I28_IN_4: LED9.1(B) U125.1(IN)
UNNAMED_1_1N4448_I28_IN_5: LED11.1(B) U130.1(IN)
UNNAMED_1_1N4448_I28_IN_6: LED13.1(B) U135.1(IN)
UNNAMED_1_1N4448_I28_IN_7: LED15.1(B) U140.1(IN)
UNNAMED_1_1N5822_I63_CAT: L6.1(A<0>) U220.1(VOUT) U227.1(CAT)
UNNAMED_1_74F06_I2_D1: U62.13(Q1) U63.1(D1) U63.3(D2) U63.5(D3) U63.9(D4) U63.11(D5) U63.13(D6) U64.1(D1) U64.3(D2) U64.5(D3) U64.9(D4) U64.11(D5) U64.13(D6)
UNNAMED_1_74F06_I2_Q1: C100.1(A<0>) R110.1(A<0>) R111.2(B<0>) R382.1(A<0>) R384.1(A<0>) R387.1(A<0>) R389.1(A<0>) R390.1(A<0>) U63.2(Q1*) U63.4(Q2*) U63.6(Q3*) U63.8(Q4*) U63.10(Q5*) U63.12(Q6*)
UNNAMED_1_74F06_I3_Q1: R112.1(A<0>) R113.2(B<0>) R381.1(A<0>) R383.1(A<0>) R385.1(A<0>) R386.1(A<0>) R388.1(A<0>) R416.1(A<0>) U64.2(Q1*) U64.4(Q2*) U64.6(Q3*) U64.8(Q4*) U64.10(Q5*) U64.12(Q6*)
UNNAMED_1_74F07_I67_A0: U99.19(Q0) U101.1(A0)
UNNAMED_1_74F07_I67_A1: U99.18(Q1) U101.3(A1)
UNNAMED_1_74F07_I67_A2: U99.17(Q2) U101.5(A2)
UNNAMED_1_74F07_I67_A3: U99.16(Q3) U101.9(A3)
UNNAMED_1_74F07_I67_Y0: R186.1(A<0>) U101.2(Y0)
UNNAMED_1_74F07_I67_Y1: R184.1(A<0>) U101.4(Y1)
UNNAMED_1_74F07_I67_Y2: R183.1(A<0>) U101.6(Y2)
UNNAMED_1_74F07_I67_Y3: R185.1(A<0>) U101.8(Y3)
UNNAMED_1_74HCT164_I28_Q0: U66.3(Q0) U68.7(A_IN)
UNNAMED_1_74HCT164_I28_Q1: U66.4(Q1) U68.9(B_IN)
UNNAMED_1_74HCT164_I28_Q2: U66.5(Q2) U68.13(C_IN)
UNNAMED_1_74HCT164_I28_Q3: U66.6(Q3) U68.14(D_IN)
UNNAMED_1_74HCT164_I28_Q4: U66.10(Q4) U67.7(A_IN)
UNNAMED_1_74HCT164_I28_Q5: U66.11(Q5) U67.9(B_IN)
UNNAMED_1_74HCT164_I28_Q6: U66.12(Q6) U67.13(C_IN)
UNNAMED_1_74HCT164_I28_Q7: U66.13(Q7) U67.14(D_IN)
UNNAMED_1_74HCT164_I64_Q0: U98.3(Q0) U99.2(D0)
UNNAMED_1_74HCT164_I64_Q1: U98.4(Q1) U99.3(D1)
